# Altium PCB MEGAphone.PcbDoc (part 3 of 5)
Units mm, origin at the board's own origin, x right, y up, seen from the top; angles counter-clockwise.
Board outline 213.75 x 99.74 mm, 4 copper layers (Component Side, Signal Layer 1, Signal Layer 2, Bottom Layer), stack 1.49 mm thick; 321 components, 321 nets, 1903 pads, 1858 vias.
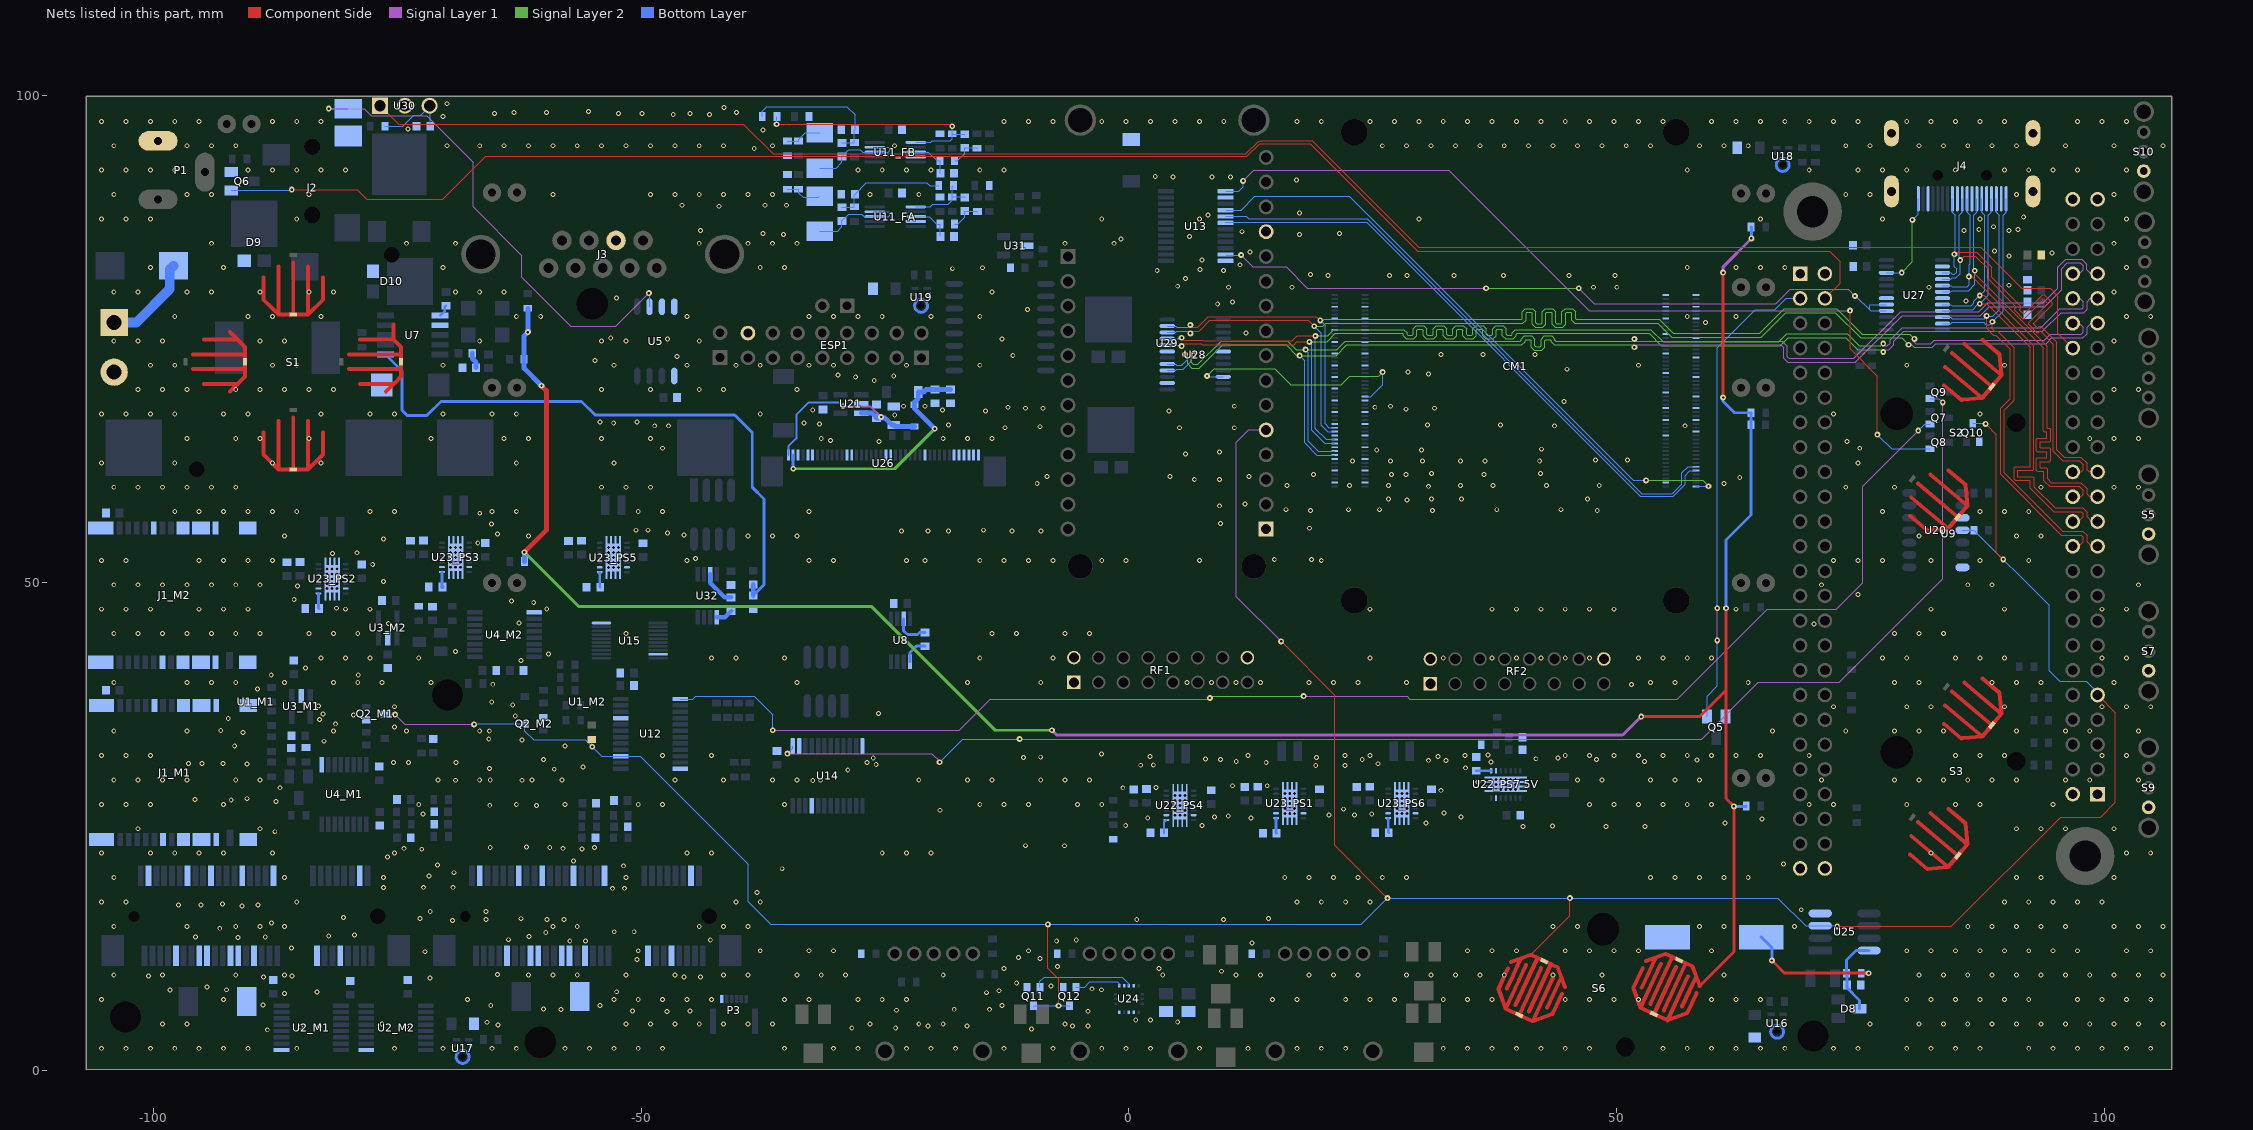
[diagram p5: the nets of this part, all layers, seen from the top]

## Via types
v1: diameter 0.5, hole 0.3, Component Side to Bottom Layer, tented both sides, 1255 vias
v2: diameter 0.6, hole 0.25, Component Side to Bottom Layer, tented both sides, 517 vias
v3: diameter 0.6, hole 0.25, Component Side to Bottom Layer, 61 vias
v4: diameter 0.63, hole 0.33, Component Side to Bottom Layer, 25 vias

## Nets (pads, with @x,y where several pads share a name; then routed paths per layer and width w, separated by ;. In a path a pad name is that pad's centre, name@x,y a point inside that pad or via, vN(x,y) a via of type N, cw(c..) or ccw(c..) an arc to the next point about the centre after c; other vN are vias at no path point) (continued)
GND: "C40_PS7 5V.2" "C41_PS7 5V.2" "C42_PS7 5V.2" "C43_PS7 5V.2" "R48_PS7 5V.2" "U22_PS7 5V.2" "U22_PS7 5V.13" "U22_PS7 5V.15" BT1.2 C1_M1.2 C1_M2.2 C2_M1.2 C2_M2.2 C3_M1.2 C3_M2.2 C4_M1.2 C4_M2.2 C5_M1.2 C5_M2.2 C6_M1.2 C6_M2.2 C7_M1.2 C7_M2.2 C8_M1.2 C8_M2.2 C9_M1.2 C9_M2.2 C10_M1.2 C10_M2.2 C11_M1.2 C11_M2.2 C12_M1.2 C12_M2.2 C13_M1.2 C13_M2.2 C14.2 C18.2 C19.2 C21.2 C24_FA.2 C24_FB.2 C26_FA.1 C26_FB.1 C27_FA.2 C27_FB.2 C28.2 C29.2 C30.2 C31.2 C32.2 C33.2 C34.2 C35.2 C36.2 C37.2 C38.2 C39.2 C40_PS4.2 C41_PS4.2 C42_PS4.2 C43_PS4.2 C44_PS1.2 C44_PS2.2 C44_PS3.2 C44_PS5.2 C44_PS6.2 C45_PS1.2 C45_PS2.2 C45_PS3.2 C45_PS5.2 C45_PS6.2 C46_PS1.2 C46_PS2.2 C46_PS3.2 C46_PS5.2 C46_PS6.2 C47_PS1.2 C47_PS2.2 C47_PS3.2 C47_PS5.2 C47_PS6.2 C48.2 C49.2 C50.2 C51.2 C52.1 C53.2 C54.2 C55.1 C56.2 C58.1 C60.2 C61.2 CM1.1 CM1.2 CM1.7 CM1.8 CM1.13 CM1.14 CM1.22 CM1.23 CM1.32 CM1.33 CM1.42 CM1.43 CM1.52 CM1.53 CM1.59 CM1.60 CM1.65 CM1.66 CM1.71 CM1.74 CM1.98 CM1.107 CM1.108 CM1.113 CM1.114 CM1.119 CM1.120 CM1.125 CM1.126 CM1.131 CM1.132 CM1.137 CM1.138 CM1.144 CM1.150 CM1.155 CM1.156 CM1.161 CM1.162 CM1.167 CM1.168 CM1.173 CM1.174 CM1.179 CM1.180 CM1.185 CM1.186 CM1.191 CM1.192 CM1.197 CM1.198 D9.1 D10.1 D13.2 ESP1.16 J1_M1.1 J1_M1.7 J1_M1.9 J1_M1.10 J1_M1.11 J1_M1.13 J1_M1.14 J1_M1.15 J1_M1.16 J1_M1.17 J1_M1.20 J1_M1.25 J1_M2.1 J1_M2.7 J1_M2.9 J1_M2.10 J1_M2.11 J1_M2.13 J1_M2.14 J1_M2.15 J1_M2.16 J1_M2.17 J1_M2.20 J1_M2.25 J2.4 J3.8 J4.2 J4.5 J4.8 J4.11 J4.17 J4.H1 J4.H2 J4.H3 J4.H4 P1.3 P3.6 Q2_M1.1 Q2_M2.1 Q5.2 Q6.2 Q10.1 Q11.1 Q12.1 R7_M1.2 R7_M2.2 R19_FA.2 R19_FB.2 R23_FA.2 R23_FB.2 R24_FA.2 R24_FB.2 R46.2 R48_PS4.2 R59.1 R66.2 R69.2 R75.2 R77.2 RF1.1 RF1.2 RF1.16 RF2.1 RF2.2 RF2.16 S1.5 S1.6 S1.7 S1.8 S2.3 S2.4 S3.3 S3.4 S5.3 S6.3 S6.4 S7.3 S9.3 S10.3 U1_M1.4 U1_M1.9 U1_M1.15 U1_M1.18 U1_M1.23 U1_M1.26 U1_M1.27 U1_M1.29 U1_M1.34 U1_M1.35 U1_M1.37 U1_M1.40 U1_M1.43 U1_M1.50 U1_M2.4 U1_M2.9 U1_M2.15 U1_M2.18 U1_M2.23 U1_M2.26 U1_M2.27 U1_M2.29 U1_M2.34 U1_M2.35 U1_M2.37 U1_M2.40 U1_M2.43 U1_M2.50 U2_M1.9 U2_M2.9 U3_M1.2 U3_M2.2 U4_M1.9 U4_M2.9 U5.3 U5.4 U5.5 U7.2 U9.1A U9.1B U9.2A U9.2B U9.49A U9.49B U9.50A U9.50B U11_FA.4 U11_FB.4 U12.12 U12.21 U13.2 U13.12 U14.2 U14.12 U14.21 U15.10 U15.19 U16.3 U17.2 U17.3 U18.3 U19.2 U19.3 U20.3 U20.7 U21.2 U22_PS4.2 U22_PS4.13 U22_PS4.15 U23_PS1.2 U23_PS1.13 U23_PS1.15 U23_PS2.2 U23_PS2.13 U23_PS2.15 U23_PS3.2 U23_PS3.13 U23_PS3.15 U23_PS5.2 U23_PS5.13 U23_PS5.15 U23_PS6.2 U23_PS6.13 U23_PS6.15 U24.2 U24.3 U24.5 U24.10 U24.12 U25.4 U26.3 U26.5 U26.6 U26.13 U26.14 U26.21 U26.22 U26.29 U26.35 U26.36 U26.37 U26.38 U26.39 U26.40 U27.6 U27.14 U27.19 U28.6 U28.14 U28.19 U29.P1_1 U29.P1_13 U30.2 U31.2
  other v1: -105.283,2.303 -102.783,2.303 -100.283,2.303 -97.783,2.303 -95.283,2.303 -92.783,2.303 -90.283,2.303 -85.283,2.303 -75.283,2.303 -70.283,2.303 -65.283,2.303 -62.783,2.303 -57.783,2.303 -55.283,2.303 -52.783,2.303 -50.283,2.303 -47.783,2.303 -35.283,2.303 -30.283,2.303 -27.783,2.303 -22.783,2.303 -20.283,2.303 -17.783,2.303 -12.783,2.303 -7.783,2.303 -2.783,2.303 -0.283,2.303 2.217,2.303 7.217,2.303 12.217,2.303 17.217,2.303 19.717,2.303 22.217,2.303 32.217,2.303 34.717,2.303 37.217,2.303 39.717,2.303 42.217,2.303 44.717,2.303 47.217,2.303 54.717,2.303 57.217,2.303 59.717,2.303 62.217,2.303 64.717,2.303 67.217,2.303 72.217,2.303 74.717,2.303 79.717,2.303 82.217,2.303 84.717,2.303 87.217,2.303 92.217,2.303 94.717,2.303 97.217,2.303 99.717,2.303 102.217,2.303 104.717,2.303 -88.302,4.2 -10,4.3 -28.4,4.4 -23.9,4.4 -84.9,4.5 -74.008,4.5 -82.954,4.6 -20.6,4.6 -16.6,4.6 -5.8,4.6 -4.2,4.6 -64.667,4.7 -99.033,4.803 -96.533,4.803 -76.533,4.803 -51.533,4.803 -49.033,4.803 -46.533,4.803 -44.033,4.803 -41.533,4.803 -39.033,4.803 -36.533,4.803 -26.533,4.803 -21.533,4.803 -19.033,4.803 -6.533,4.803 75.967,4.803 80.967,4.803 83.467,4.803 85.967,4.803 88.467,4.803 90.967,4.803 93.467,4.803 95.967,4.803 98.467,4.803 100.967,4.803 103.467,4.803 105.967,4.803 -65.8,4.969 5,5 0.7,5.2 2.2,5.2 -47.32,6.083 -4.2,6.1 -50.886,6.123 -44.981,6.123 -23.8,6.2 -58.2,6.297 -17.9,6.3 -14.3,6.3 -60,6.34 -65.4,6.675 -54.2,6.674 -13,6.7 -88.726,6.745 -105.283,7.303 -92.783,7.303 -67.783,7.303 -52.783,7.303 -50.283,7.303 -47.783,7.303 -45.283,7.303 -42.783,7.303 -35.283,7.303 -32.783,7.303 -27.783,7.303 -25.283,7.303 -22.783,7.303 14.717,7.303 17.217,7.303 22.217,7.303 24.717,7.303 27.217,7.303 32.217,7.303 34.717,7.303 37.217,7.303 44.717,7.303 47.217,7.303 49.717,7.303 52.217,7.303 59.717,7.303 62.217,7.303 64.717,7.303 79.717,7.303 82.217,7.303 84.717,7.303 87.217,7.303 89.717,7.303 92.217,7.303 97.217,7.303 99.717,7.303 102.217,7.303 104.717,7.303 -86.54,7.9 -14.6,8 -83.224,8.067 -52.494,8.1 -13.3,8.2 -98.259,8.267 -92.474,8.306 -2.8,8.3 -3.8,8.4 -94.5,8.6 -8,8.7 -11.5,9 -71.639,9.5 -88.7,9.6 -45.6,9.6 -43.918,9.6 -100.492,9.7 -85.77,9.7 -104.033,9.803 -99.033,9.803 -91.533,9.803 -86.533,9.803 -61.533,9.803 -59.033,9.803 -56.533,9.803 -51.533,9.803 -46.533,9.803 -41.533,9.803 -39.033,9.803 -34.033,9.803 -31.533,9.803 -29.033,9.803 -19.033,9.803 3.467,9.803 10.967,9.803 13.467,9.803 18.467,9.803 20.967,9.803 23.467,9.803 28.467,9.803 30.967,9.803 33.467,9.803 35.967,9.803 38.467,9.803 43.467,9.803 48.467,9.803 60.967,9.803 80.967,9.803 83.467,9.803 85.967,9.803 88.467,9.803 90.967,9.803 93.467,9.803 95.967,9.803 98.467,9.803 100.967,9.803 103.467,9.803 105.967,9.803 -64.7,9.853 9.5,10.2 -12.8,10.5 3.1,10.5 -7.3,10.7 -50.4,11.4 -9.1,11.5 -11.3,11.6 -72.137,12.2 -50.283,12.303 -37.783,12.303 -32.783,12.303 -30.283,12.303 -10.283,12.303 34.717,12.303 37.217,12.303 39.717,12.303 44.717,12.303 47.217,12.303 49.717,12.303 52.217,12.303 59.717,12.303 79.717,12.303 82.217,12.303 84.717,12.303 87.217,12.303 89.717,12.303 92.217,12.303 94.717,12.303 97.217,12.303 102.217,12.303 104.717,12.303 -85.84,12.6 12.6,13.1 -57.3,13.3 -55.7,13.3 -7.4,13.3 -42.9,13.4 -5.4,13.4 -63.583,13.433 -91.3,13.665 -95.674,13.7 -88.51,13.7 -61.492,13.766 -82,13.817 -79.353,13.9 -59.763,14.158 -52.747,14.246 -50.7,14.246 -93.174,14.6 -104.033,14.803 -96.533,14.803 -91.533,14.803 -89.033,14.803 -86.533,14.803 -59.033,14.803 -56.533,14.803 -44.033,14.803 -41.533,14.803 -39.033,14.803 43.467,14.803 45.967,14.803 58.467,14.803 60.967,14.803 68.2,14.8 85.967,14.803 88.467,14.803 90.967,14.803 93.467,14.803 95.967,14.803 100.967,14.803 103.467,14.803 105.967,14.803 -87.874,15.159 -69.333,15.4 -65.9,15.5 -59.626,15.5 -57.9,15.5 0.8,15.5 9.7,15.5 -72.661,15.6 -62.292,15.584 14.303,15.6 -80.5,15.708 -71.6,16.305 -65.9,16.323 68.9,16.5 -90.911,16.9 -97.4,17 -95.114,17 -89.266,17 -92.9,17.1 -105.283,17.303 -102.783,17.303 -85.283,17.303 -40.283,17.303 -37.783,17.303 17.217,17.303 19.717,17.303 22.217,17.303 24.717,17.303 89.717,17.303 92.217,17.303 94.717,17.303 97.217,17.303 99.717,17.303 -38.13,18.288 -52.929,18.7 -51.691,18.7 -76.385,18.8 -72.283,18.803 -69.283,18.803 -104.033,19.803 -86.533,19.803 -76.385,19.8 -51.533,19.803 15.967,19.803 18.467,19.803 20.967,19.803 23.467,19.803 25.967,19.803 28.467,19.803 53.467,19.803 55.967,19.803 58.467,19.803 60.967,19.803 63.467,19.803 90.967,19.803 93.467,19.803 100.967,19.803 -71.722,19.978 -69.176,20.3 -35.531,20.708 -51.8,21.006 -70.85,21.1 67.1,21.2 -56.902,21.5 -75.967,21.9 -105.283,22.303 -100.283,22.303 -97.783,22.303 -95.283,22.303 -92.783,22.303 -87.783,22.303 -75.283,22.303 -45.283,22.303 -42.783,22.303 -25.283,22.303 -22.783,22.303 -20.283,22.303 82.217,22.303 102.217,22.303 104.717,22.303 -72.471,22.7 -56.06,22.733 -74.275,22.8 -58,22.8 -54.767,22.863 -65.45,22.9 -61.726,22.919 -59.355,22.9 -10.6,23.067 -6.6,23.059 -87.533,24.5 -101.533,24.803 -89.033,24.803 90.967,24.803 93.467,24.803 95.967,24.803 100.967,24.803 40.4,25.046 48.9,25.046 52.9,25.046 43.4,25.1 -0.328,25.133 7.502,25.133 30.43,25.388 61.1,25.4 64.9,25.812 1.934,25.9 12.5,25.9 8.771,26 34.026,26 10.179,26.1 20.5,26.208 23.103,26.2 -72.351,26.3 24.885,26.3 32.292,26.407 -19.374,26.7 22,26.807 -60.729,27.18 -65.5,27.206 -105.283,27.303 -102.783,27.303 -100.283,27.303 -92.783,27.303 -72.783,27.303 -62.783,27.303 -57.783,27.303 -50.283,27.303 -47.783,27.303 -35.283,27.303 -15.283,27.303 -12.783,27.303 -10.283,27.303 -5.283,27.303 -2.783,27.303 47.217,27.303 49.717,27.303 52.217,27.303 54.717,27.303 57.217,27.303 59.717,27.303 69.717,27.303 72.217,27.303 79.717,27.303 84.717,27.303 87.217,27.303 94.717,27.303 -87.4,27.594 -92,27.763 -95.7,27.813 -90.4,27.884 32,28.745 -86.982,29 -0.627,29 2.791,29.013 10.598,29.209 14.174,29.209 35.765,29.6 -69.026,29.773 -62.207,29.773 -32.4,29.763 -31.6,29.773 -104.033,29.803 -101.533,29.803 -99.033,29.803 -96.533,29.803 -91.533,29.803 -89.033,29.803 -70.81,29.8 -66.533,29.803 -65.45,29.8 -61.187,29.78 -58.084,29.8 -46.533,29.803 -41.533,29.803 -36.533,29.803 -34.033,29.803 -21.533,29.803 -16.533,29.803 -14.033,29.803 -9.033,29.803 -6.533,29.803 -4.033,29.803 45.967,29.803 48.467,29.803 53.467,29.803 55.967,29.803 58.467,29.803 70.967,29.803 78.467,29.803 80.967,29.803 83.467,29.803 85.967,29.803 88.467,29.803 90.967,29.803 95.967,29.803 98.467,29.803 103.467,29.803 -28.809,30.833 -58.895,30.9 -65.538,30.967 34.5,31.049 -55.93,31.125 19.146,31.282 22.136,31.292 1.208,31.308 2.5,31.321 -25.9,31.392 -90.4,31.433 25.537,31.465 -96.374,31.493 -95,31.5 -92.833,31.5 -75.378,31.6 -73.822,31.597 -68.964,31.6 -26.837,31.6 14.07,31.592 37.1,31.658 11,31.7 52.833,31.7 32.5,31.8 30.7,31.82 58.2,31.833 -60.01,31.9 9.4,31.9 23.912,31.9 47.901,31.9 7.837,31.939 41.7,31.974 43.955,32.037 -26.2,32.052 -10.8,32.102 19.233,32.1 -9.039,32.135 2.161,32.208 31.695,32.2 -105.283,32.303 -102.783,32.303 -100.283,32.303 -47.783,32.303 -42.783,32.303 12.217,32.303 22.136,32.3 24.717,32.303 34.439,32.3 44.717,32.303 47.217,32.303 49.717,32.303 52.217,32.303 54.717,32.303 57.217,32.303 59.717,32.303 62.217,32.303 64.717,32.303 69.717,32.303 84.717,32.303 87.217,32.303 89.717,32.303 99.717,32.303 102.217,32.303 36.8,32.36 -2.8,32.459 -57.792,33.278 -91.641,33.3 -82.5,33.776 -62.207,33.906 -65.6,34 -90.8,34.666 -104.033,34.803 -96.533,34.803 -81.533,34.803 -74.033,34.803 -66.533,34.803 -65.551,34.806 65.967,34.803 73.467,34.803 78.467,34.803 80.967,34.803 83.467,34.803 90.967,34.803 95.967,34.803 98.467,34.803 103.467,34.803 -93.068,34.892 -75.267,35.223 -81.324,35.56 -82.951,36.007 -92.3,36.089 -62.889,36.362 -79.457,36.442 -82.608,36.576 -25.676,36.6 -75.283,37.303 72.217,37.303 79.717,37.303 82.217,37.303 89.717,37.303 99.717,37.303 102.217,37.303 104.717,37.303 -83.035,37.4 -63.144,37.5 -65.3,37.8 -89.3,39.138 51.5,39.577 -65.198,39.608 -104.033,39.803 -96.533,39.803 -94.033,39.803 -91.533,39.803 -86.533,39.803 -81.533,39.803 -79.033,39.803 -76.533,39.803 -71.533,39.803 -34.033,39.803 -16.533,39.803 -9.033,39.803 5.967,39.803 8.467,39.803 10.967,39.803 13.467,39.803 18.467,39.803 20.967,39.803 23.467,39.803 28.467,39.803 53.467,39.803 55.967,39.803 63.467,39.803 78.467,39.803 80.967,39.803 88.467,39.803 90.967,39.803 93.467,39.803 100.967,39.803 -87.9,40.571 -78.982,40.571 -84.367,41.265 -62.314,42.05 -82.783,42.303 -80.283,42.303 -77.783,42.303 -72.783,42.303 -42.783,42.303 -40.283,42.303 -35.283,42.303 -15.283,42.303 -7.783,42.303 24.717,42.303 32.217,42.303 37.217,42.303 39.717,42.303 42.217,42.303 44.717,42.303 47.217,42.303 52.217,42.303 54.717,42.303 57.217,42.303 59.717,42.303 77.217,42.303 79.717,42.303 84.717,42.303 87.217,42.303 89.717,42.303 99.717,42.303 102.217,42.303 -59.5,42.7 -69,42.967 -104.033,44.803 -101.533,44.803 -99.033,44.803 -96.533,44.803 -94.033,44.803 -91.533,44.803 -89.033,44.803 -84.033,44.803 -81.533,44.803 -79.033,44.803 -51.533,44.803 -14.033,44.803 -11.533,44.803 -6.533,44.803 -4.033,44.803 78.467,44.803 80.967,44.803 83.467,44.803 70.217,45.803 -75.9,45.855 -62.489,45.891 -105.283,47.303 -102.783,47.303 -100.283,47.303 -95.283,47.303 -92.783,47.303 -90.283,47.303 -80.283,47.303 -77.783,47.303 24.717,47.303 37.217,47.303 39.717,47.303 42.217,47.303 44.717,47.303 47.217,47.303 49.717,47.303 62.217,47.303 82.217,47.303 89.717,47.303 99.717,47.303 102.217,47.303 -59.664,47.318 -81.206,47.4 -61,47.977 -63.292,48.133 -85.543,48.3 74.717,48.803 -85.2,49.662 -104.033,49.803 -101.533,49.803 -99.033,49.803 -96.533,49.803 -94.033,49.803 -91.533,49.803 -89.033,49.803 70.967,49.803 85.967,49.803 88.467,49.803 103.467,49.803 -76.4,50.161 -77.5,51.885 -105.283,52.303 -102.783,52.303 -95.283,52.303 -92.783,52.303 -90.283,52.303 -87.783,52.303 -45.283,52.303 -32.783,52.303 -30.283,52.303 -22.783,52.303 -20.9,52.3 -15.283,52.303 -12.783,52.303 -10.283,52.303 -7.783,52.303 -2.783,52.303 -0.283,52.303 7.217,52.303 19.717,52.303 72.217,52.303 74.717,52.303 77.217,52.303 82.217,52.303 87.217,52.303 92.217,52.303 14.9,52.4 18.7,52.4 -44.4,52.5 -81.63,53 -79.11,53.084 -66.729,54.1 -76.4,54.5 -86.533,54.803 -61.533,54.803 -39.033,54.803 -36.533,54.803 -34.033,54.803 80.967,54.803 90.967,54.803 93.467,54.803 -45.6,54.9 -64.7,55 -47.3,55.1 -23.3,55.3 -20.6,55.3 -18.5,55.3 -12,55.3 -9,55.3 -50.5,55.4 -49.3,55.4 -14.9,55.4 18.5,55.6 -65.344,56.025 9.4,56.1 -66.527,57.137 -97.783,57.303 -95.283,57.303 -92.783,57.303 -90.283,57.303 -87.783,57.303 -85.283,57.303 -77.783,57.303 -75.283,57.303 -65.283,57.303 -62.783,57.303 -50.283,57.303 -47.783,57.303 -32.783,57.303 77.217,57.303 87.217,57.303 89.717,57.303 92.217,57.303 18.6,57.4 31.1,57.4 48,57.4 16.1,57.5 22.5,57.5 25.7,57.5 37.7,57.5 44.3,57.5 9.3,57.9 11.9,58.1 28.5,58.5 26.6,58.6 31,58.6 34.1,58.6 47,58.6 -104.033,59.803 -101.533,59.803 -99.033,59.803 -96.533,59.803 -94.033,59.803 -91.533,59.803 -54.033,59.803 -51.533,59.803 -49.033,59.803 73.467,59.803 78.467,59.803 93.467,59.803 100.967,59.803 103.467,59.803 30.7,59.9 16.2,60 22.6,60 26.6,60 34,60 37.3,60 42.8,60 48.2,60 -9.4,60.2 61,60.2 6.7,60.59 9.3,60.59 62.6,60.8 -8.4,60.9 4.2,60.9 12.3,60.9 18.9,61.1 26.9,61.1 28.4,61.1 36.4,61.1 31,61.2 42.2,61.2 -105.283,62.303 -97.783,62.303 -87.783,62.303 -82.783,62.303 -62.783,62.303 -52.783,62.303 74.717,62.303 22.9,62.5 26.8,62.5 30.1,62.5 34,62.5 36.5,62.5 42.1,62.5 47.8,62.6 51.1,62.6 5.8,63.2 9.3,63.4 25.4,63.6 30,63.6 42.3,63.7 -47.8,63.8 74.9,63.8 -25.6,64.5 73.6,64.5 -30.6,64.6 -96.533,64.803 -91.533,64.803 -89.033,64.803 -84.033,64.803 -71.533,64.803 -64.033,64.803 -61.533,64.803 -54.033,64.803 -49.033,64.803 -31.533,64.803 -19.033,64.803 -16.533,64.803 -14.033,64.803 98.467,64.803 100.967,64.803 103.467,64.803 -12.7,65.9 5.2,65.9 10.8,65.9 -9.1,66 -48.6,66.1 -47.2,66.1 43.6,66.1 57,66.1 -18.5,66.2 30.6,66.2 38.1,66.2 -31.7,66.3 -52.8,66.4 -33.3,66.4 -54.2,66.5 -50.4,66.5 -24,67.2 -105.283,67.303 -102.783,67.303 -100.283,67.303 -97.783,67.303 -92.783,67.303 -90.283,67.303 -82.783,67.303 -77.783,67.303 -75.283,67.303 -70.283,67.303 -65.283,67.303 -62.783,67.303 -37.783,67.303 72.217,67.303 87.217,67.303 -14.7,67.6 4.1,67.6 -32.4,67.7 -19.1,67.7 28.4,67.8 -10.6,67.9 -8.8,67.9 31.3,67.9 -12.4,68 25.2,68 -23.1,68.1 -20.9,68.1 10.8,68.1 26.8,68.1 44.6,68.6 -101.533,69.803 -99.033,69.803 -96.533,69.803 -91.533,69.803 -89.033,69.803 -86.533,69.803 -84.033,69.803 -81.533,69.803 -54.033,69.803 -49.033,69.803 -44.033,69.803 -41.533,69.803 -34.033,69.803 100.967,69.803 103.467,69.803 -26.1,70.75 -28,71.1 -24.1,71.2 -29.8,71.3 30.7,71.4 28.6,71.6 44.9,71.9 -100.283,72.303 -97.783,72.303 -87.783,72.303 -85.283,72.303 -70.283,72.303 -52.783,72.303 -45.283,72.303 -40.283,72.303 -37.783,72.303 -32.783,72.303 -30.283,72.303 -22.783,72.303 -15.283,72.303 52.217,72.303 79.717,72.303 89.717,72.303 -54.7,72.8 -46.3,73.2 -11.9,73.29 32,73.4 36.3,73.4 41.6,73.4 -104.033,74.803 -101.533,74.803 -99.033,74.803 -89.033,74.803 -86.533,74.803 -66.533,74.803 -54.033,74.803 -51.533,74.803 -44.033,74.803 100.967,74.803 -47.3,75 -13,75 -53.1,75.1 12,75.6 59.1,76.7 -97.783,77.303 -90.283,77.303 -87.783,77.303 -82.783,77.303 -62.783,77.303 -60.283,77.303 -45.283,77.303 -32.783,77.303 -30.283,77.303 -27.783,77.303 -25.283,77.303 -20.283,77.303 -15.283,77.303 57.217,77.303 62.217,77.303 102.217,77.303 104.717,77.303 -10.4,78 9.1,78.6 10.6,78.8 85.8,78.9 -52.5,79.2 -104.033,79.803 -101.533,79.803 -96.533,79.803 -94.033,79.803 -89.033,79.803 -84.033,79.803 -81.533,79.803 -69.033,79.803 -66.533,79.803 -64.033,79.803 -14.033,79.803 100.967,79.803 10.2,80.3 16.7,80.3 47.6,80.3 50,80.3 82,80.3 5,80.4 90.2,80.5 5.8,81.2 20.4,81.5 26.7,81.5 28.5,81.5 33.3,81.5 38.4,81.5 45.1,81.5 49.8,81.5 18.6,81.6 2.9,82 9.7,82 7.3,82.1 -18.1,82.2 -100.283,82.303 -92.783,82.303 -70.283,82.303 -37.783,82.303 -35.283,82.303 -15,82.3 57.217,82.303 62.217,82.303 64.717,82.303 67.217,82.303 102.217,82.303 11.4,82.6 7.5,83.1 90.2,83.5 94.6,83.8 12.4,83.9 88.7,84 -94.033,84.803 -74.033,84.803 -69.033,84.803 -44.033,84.803 -39.033,84.803 -36.533,84.803 -34.033,84.803 -6.533,84.803 -1.533,84.803 100.967,84.803 -0.816,85.224 6.2,85.5 -35.4,85.7 17.472,85.7 -37.5,85.8 21.6,85.791 11.6,85.99 -43.9,86.1 85.6,86.1 90.2,86.1 87.1,86.2 91.1,86.2 88.6,86.5 -105.283,87.303 -102.783,87.303 -100.283,87.303 -85.283,87.303 -2.783,87.303 7.217,87.303 29.717,87.303 64.717,87.303 77.217,87.303 87.217,87.303 102.217,87.303 91.7,87.5 8.1,87.7 17.5,87.892 -42,88.6 -45.8,88.7 -37.3,88.7 -35.1,88.7 -104.033,89.803 -96.533,89.803 -94.033,89.803 -84.033,89.803 -59.033,89.803 -49.033,89.803 -46.533,89.803 -44.033,89.803 -41.533,89.803 -39.033,89.803 -36.533,89.803 -26.533,89.803 -21.533,89.803 73.467,89.803 75.967,89.803 90.967,89.803 100.967,89.803 17.167,91.3 4.5,91.6 8.5,91.6 10.4,91.6 2.7,91.635 -105.283,92.303 -102.783,92.303 -100.283,92.303 -97.783,92.303 -90.283,92.303 -87.783,92.303 -85.283,92.303 -82.783,92.303 -80.283,92.303 -27.783,92.303 -25.283,92.303 -22.783,92.303 -20.283,92.303 -15.283,92.303 -12.783,92.303 57.217,92.303 69.717,92.303 74.717,92.303 77.217,92.303 79.717,92.303 84.717,92.303 89.717,92.303 92.217,92.303 94.717,92.303 97.217,92.303 102.217,92.303 -38.4,94.5 -69.9,94.8 -104.033,94.803 -96.533,94.803 -94.033,94.803 -91.533,94.803 -66.533,94.803 -64.033,94.803 -61.533,94.803 -59.033,94.803 -56.533,94.803 -54.033,94.803 -51.533,94.803 -49.033,94.803 -46.533,94.803 -44.033,94.803 -41.533,94.803 -36.533,94.803 -24.033,94.803 25.967,94.803 28.467,94.803 30.967,94.803 33.467,94.803 35.967,94.803 38.467,94.803 40.967,94.803 43.467,94.803 45.967,94.803 48.467,94.803 50.967,94.803 53.467,94.803 58.467,94.803 60.967,94.803 63.467,94.803 73.467,94.803 75.967,94.803 80.967,94.803 83.467,94.803 85.967,94.803 88.467,94.803 90.967,94.803 95.967,94.803 100.967,94.803 105.967,94.803 -37.5,96.4 -73.9,96.5 -105.283,97.303 -102.783,97.303 -100.283,97.303 -97.783,97.303 -95.283,97.303 -87.783,97.303 -85.283,97.303 -82.783,97.303 -12.783,97.303 -10.283,97.303 -7.783,97.303 -2.783,97.303 -0.283,97.303 2.217,97.303 4.717,97.303 7.217,97.303 9.717,97.303 17.217,97.303 19.717,97.303 24.717,97.303 27.217,97.303 29.717,97.303 32.217,97.303 34.717,97.303 37.217,97.303 39.717,97.303 42.217,97.303 44.717,97.303 47.217,97.303 49.717,97.303 52.217,97.303 54.717,97.303 59.717,97.303 62.217,97.303 64.717,97.303 67.217,97.303 69.717,97.303 72.217,97.303 74.717,97.303 79.717,97.303 82.217,97.303 84.717,97.303 87.217,97.303 89.717,97.303 97.217,97.303 99.717,97.303 102.217,97.303 -70.3,97.8 -46.7,98 -43,98 -65,98.1 -52.3,98.1 -49.9,98.1 -45,98.1 -63,98.2 -59.7,98.2 -40.2,98.2 -55.4,98.3 -41.5,98.7 -69.9,99.1